# Altium PCB fmuvxX-baseT1.PcbDoc (part 2 of 5)
Units mm, origin at the board's own origin, x right, y up, seen from the top; angles counter-clockwise.
Board outline 88 x 47 mm, 6 copper layers (Top Layer, Layer 2, Signal Layer 3, Signal Layer 4, Layer 5, Bottom Layer), stack 1.548 mm thick; 363 components, 295 nets, 1451 pads, 844 vias.
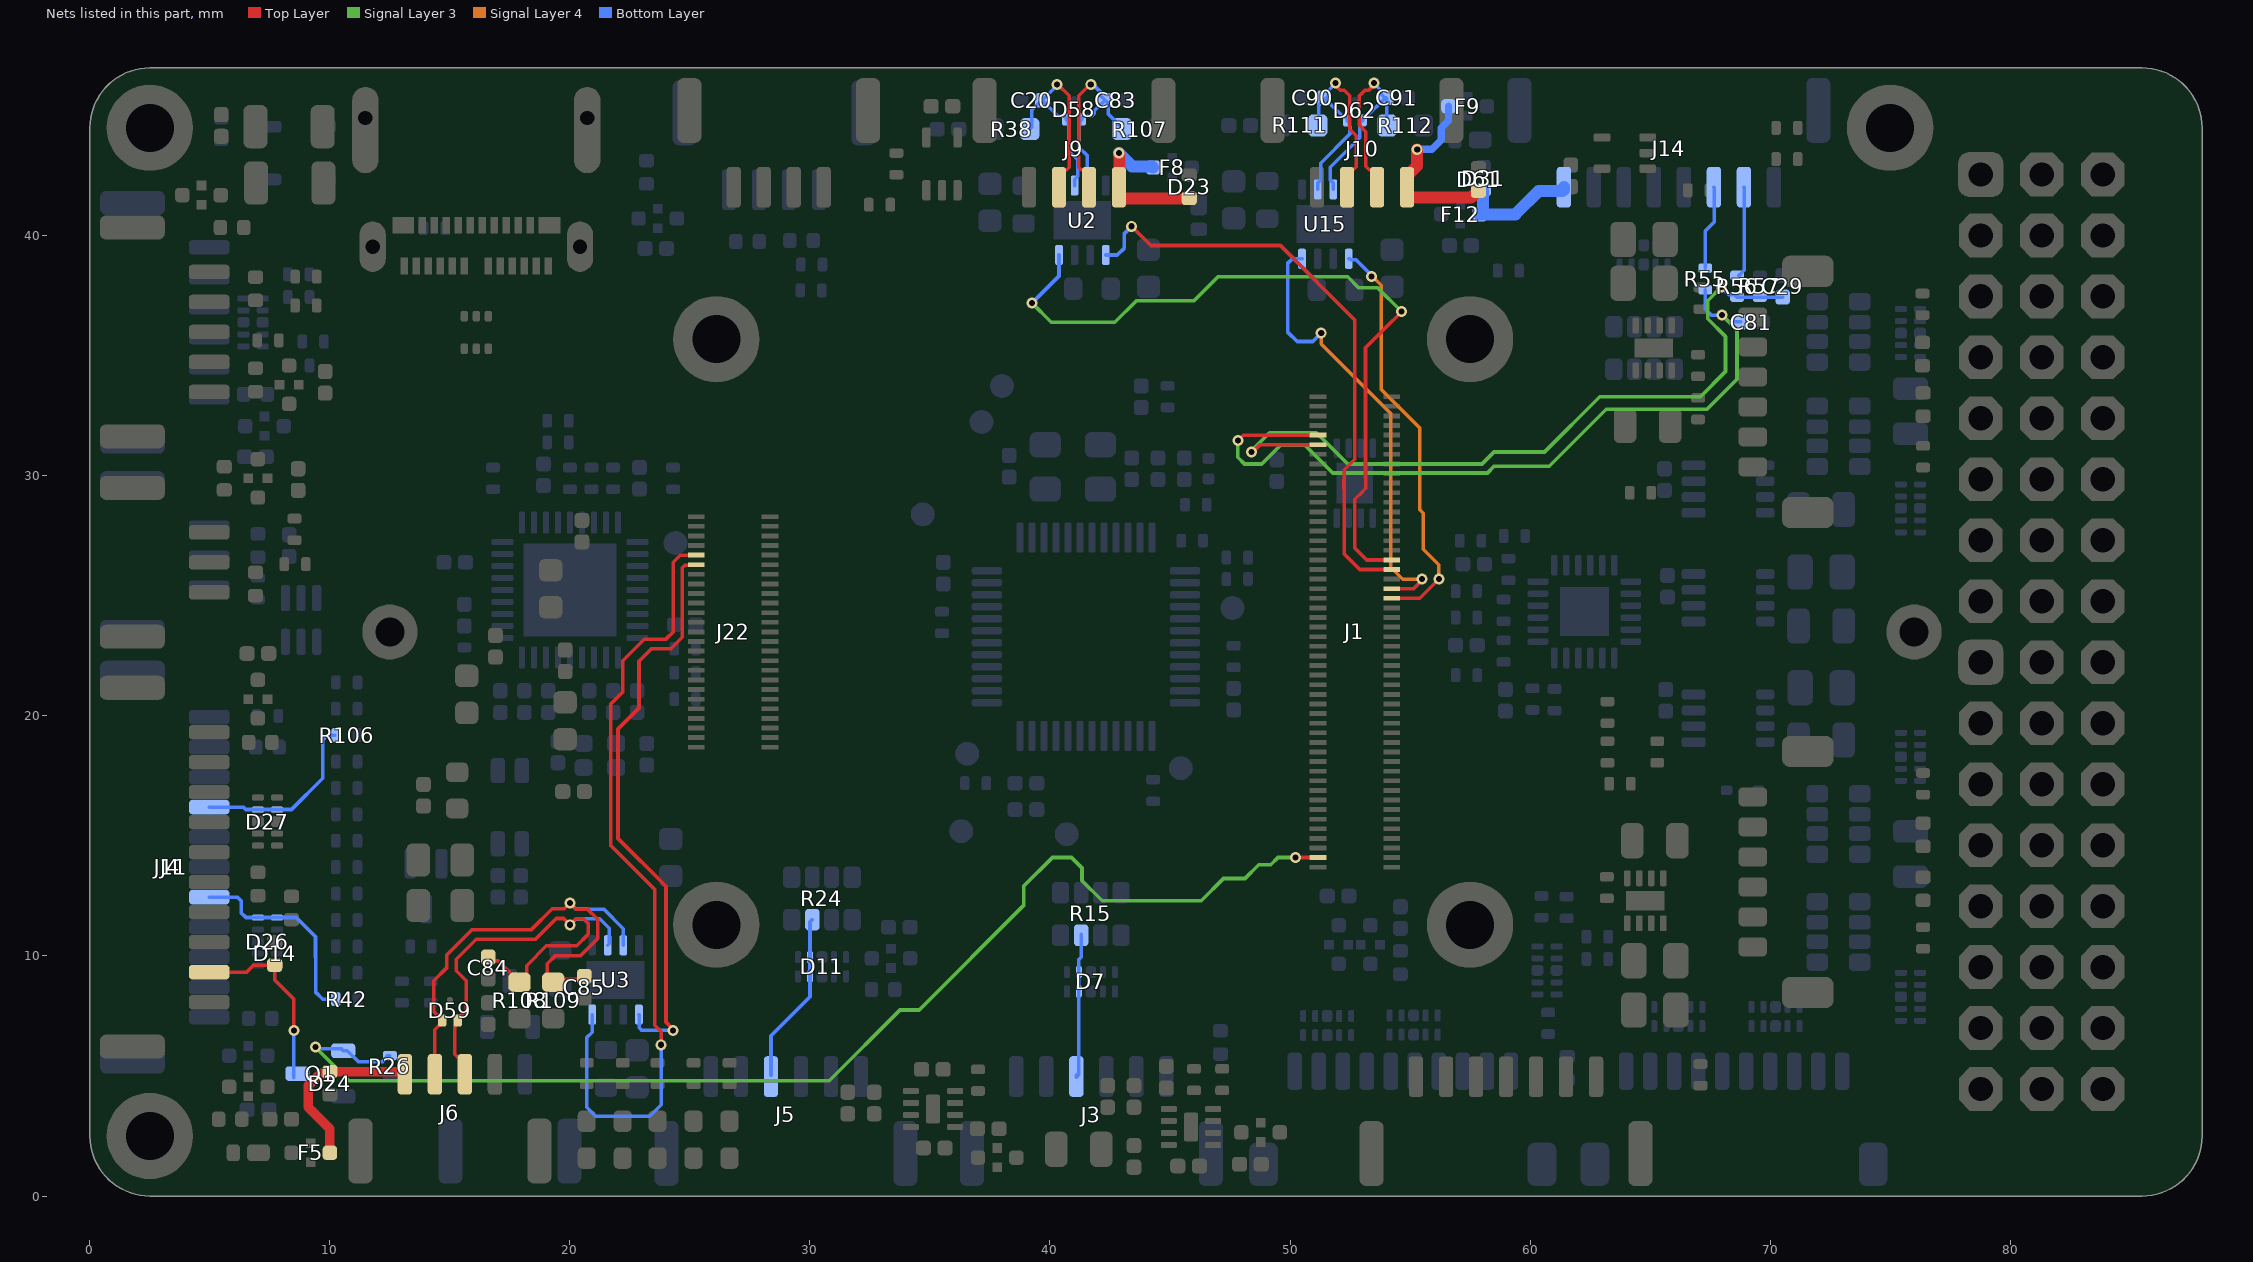
[diagram p6: the nets of this part, all layers, seen from the top]

## Footprints (in the part's own frame and the unit in brackets; to place one, negate y for a bottom-side part, rotate by r counter-clockwise, add the part's x,y. Pads: shape width x height; smd on the part's side, far side on the other; paste and mask are expansions set on the pad) (continued)
JST_SM07B-GHS-TBLFSN [mm] "Header, Right Angle Plug; 9 pin, 12.00 mm L X 4.05 mm W X 4.35 mm H body"
  rrect50% 0.6x1.7 smd: 1(3.75,-2.17) 2(2.5,-2.17) 3(1.25,-2.17) 4(0,-2.17) 5(-1.25,-2.17) 6(-2.5,-2.17) 7(-3.75,-2.17)
  rrect50% 1x2.7 smd: M1(5.6,1.03) M2(-5.6,1.03)
  silkscreen extent -6,-2.9 6,2.13, body extent -6,-2.7 6,2.15, height 4.35
JST_SM08B-GHS-TBLFSN [mm] "Connector, Right Angle Plug; 10 pin, 13.25 mm L X 4.05 mm W X 4.45 mm H body"
  rrect50% 0.6x1.7 smd: 1(-4.375,2.27) 2(-3.125,2.27) 3(-1.875,2.27) 4(-0.625,2.27) 5(0.625,2.27) 6(1.875,2.27) 7(3.125,2.27) 8(4.375,2.27)
  rrect50% 1x2.7 smd: M1(-6.225,-0.93) M2(6.225,-0.93)
  silkscreen extent -6.63,-2.03 6.63,3.92, body extent -6.61,-2 6.64,2.85, height 4.35
JST_SM10B-GHS-TBLFSN [mm] "Connector, Right Angle Shrouded Plug; 12 pin, 15.75 mm L X 4.05 mm W X 4.45 mm H body"
  rrect50% 0.6x1.7 smd: 1(-5.625,2.27) 2(-4.375,2.27) 3(-3.125,2.27) 4(-1.875,2.27) 5(-0.625,2.27) 6(0.625,2.27) 7(1.875,2.27) 8(3.125,2.27) 9(4.375,2.27) 10(5.625,2.27)
  rrect50% 1x2.7 smd: M1(-7.475,-0.93) M2(7.475,-0.93)
  silkscreen extent -7.88,-2.03 7.88,2.96, body extent -7.87,-2 7.88,2.85, height 4.35
JST_SM10B-SRSS-TB [mm] "Connector, Right Angle Shrouded Plug; 12 pin, 12.00 mm L X 4.25 mm W X 3.00 mm H body"
  rrect50% 0.6x1.55 smd: 1(-4.5,2.437) 2(-3.5,2.437) 3(-2.5,2.437) 4(-1.5,2.437) 5(-0.5,2.437) 6(0.5,2.437) 7(1.5,2.437) 8(2.5,2.437) 9(3.5,2.437) 10(4.5,2.437)
  rrect50% 1.2x1.8 smd: M1(-5.8,-1.438) M2(5.8,-1.438)
  silkscreen extent -6,-2.14 6,3.02, body extent -6,-1.9 6,3.05, height 2.96
JST_SM11B-GHS-TBLFSN [mm] "Connector, Right Angle Shrouded Plug; 13 pin, 17.00 mm L X 4.05 mm W X 4.45 mm H body"
  rrect50% 0.6x1.7 smd: 1(-6.25,2.275) 2(-5,2.275) 3(-3.75,2.275) 4(-2.5,2.275) 5(-1.25,2.275) 6(0,2.275) 7(1.25,2.275) 8(2.5,2.275) 9(3.75,2.275) 10(5,2.275) 11(6.25,2.275)
  rrect50% 1x2.7 smd: M1(-8.1,-0.925) M2(8.1,-0.925)
  silkscreen extent -8.5,-2.02 8.51,2.97, body extent -8.5,-2.05 8.5,2.8, height 4.35
LEDSC80X160X65L40N_BLU [mm] "LED, Side Lead; 2 pin, Blue, 0.80 mm L X 1.60 mm W X 0.65 mm H body"
  rrect51% 0.89x0.75 smd: A(0.77,0) C(-0.77,0)
  silkscreen extent -1.71,-0.45 0.15,0.45, body extent -0.8,-0.4 0.8,0.4, height 0.8
LEDSC80X160X65L40N_GRN [mm] "LED, Side Lead; 2 pin, Green, 0.80 mm L X 1.60 mm W X 0.65 mm H body"
  rrect51% 0.89x0.75 smd: A(0.77,0) C(-0.77,0)
  silkscreen extent -1.71,-0.45 0.15,0.45, body extent -0.8,-0.4 0.8,0.4, height 0.8
LEDSC80X160X65L40N_ORA [mm] "LED, Side Lead; 2 pin, Orange, 0.80 mm L X 1.60 mm W X 0.65 mm H body"
  rrect51% 0.89x0.75 smd: A(0.77,0) C(-0.77,0)
  silkscreen extent -1.71,-0.45 0.15,0.45, body extent -0.8,-0.4 0.8,0.4, height 0.8
MOLEX_505568-0681 [mm] "Connector, Vertical Shrouded Plug; 8 pin, 10.75 mm L X 3.85 mm W X 4.40 mm H body"
  rrect50% 0.8x1.2 smd: 1(-3.125,-1.722) 2(-1.875,-1.722) 3(-0.625,-1.722) 4(0.625,-1.722) 5(1.875,-1.722) 6(3.125,-1.722)
  rrect50% 1.3x2.15 smd: M1(-5.025,0.573) M2(5.025,0.573)
  Top Layer keep-out region: -4.375,-1.15 -2.975,-1.15 -2.975,1.66 -4.375,1.66
  Top Layer keep-out region: 5.975,-0.53 3.525,-0.53 3.525,-2.55 5.975,-2.55
  Top Layer keep-out region: 4.375,1.66 2.975,1.66 2.975,-1.15 4.375,-1.15
  Top Layer keep-out region: -3.525,-0.53 -5.975,-0.53 -5.975,-2.55 -3.525,-2.55
  silkscreen extent -5.38,-3.15 5.38,1.93, body extent -5.35,-2.04 5.4,1.86, height 4.2
MOLEX_2012670005 [mm] "Connector, USB Receptacle Right Angle; 28 pin, 9.39 mm L X 8.21 mm W X 3.86 mm H body"
  rect 0.3x0.7 smd mask+0.051: A1(-3,4.01) A2(-2.5,4.01) A3(-2,4.01) A4(-1.5,4.01) A5(-1,4.01) A6(-0.5,4.01) A7(0.5,4.01) A8(1,4.01) A9(1.5,4.01) A10(2,4.01) A11(2.5,4.01) A12(3,4.01) B2(2.25,2.31) B3(1.75,2.31) B4(1.25,2.31) B5(0.75,2.31) B6(0.25,2.31) B7(-0.25,2.31) B8(-0.75,2.31) B9(-1.25,2.31) B10(-1.75,2.31) B11(-2.25,2.31)
  rect 0.9x0.7 smd mask+0.051: B1(3.05,2.31) B12(-3.05,2.31)
  oval 1.1x2.1 hole 0.6 slot 1.6 at 90 deg paste-2.1: M1(-4.32,3.2) M2(4.32,3.2)
  oval 1.1x3.6 hole 0.6 slot 2.1 at 90 deg copper offset 0,0.5 paste-3.6: M3(4.62,-2.16)
  oval 1.1x3.6 / inner rrect100% 1.1x3.6 / far side rrect100% 1.1x3.6 hole 0.6 slot 2.1 at 90 deg copper offset 0,0.5 paste-3.6: M4(-4.62,-2.16)
  silkscreen extent -4.7,-4.11 4.7,4.77, body extent -4.69,-4.09 4.7,4.21, height 3.67
MOUNT_HOLE_1.2MM_TH [mm] "MOUNT HOLE 1.2MM TH"
  round 2.3 hole 1.2: 1(0,0)
MOUNT_HOLE_2MM_3.6MM_8VIA_TH [mm] "MOUNT HOLE 2MM 3.6MM 8VIA TH"
  round 3.6 hole 2: 1(0,0)
MOUNT_HOLE_2MM_3.6MM_8via_TH [mm] "MOUNT HOLE 2MM 3.6MM 8VIA TH"
  round 3.6 hole 2: 1(0,0)
NEXPERIA_SOT8015 [mm] "Diode, TVS; 3 pin, 1.10 mm L X 1.00 mm W X 0.50 mm H body"
  rrect50% 0.35x0.5 smd paste-0.05 mask+0.05: 1(-0.325,-0.39) 2(0.325,-0.39)
  round 0.25 smd paste-0.25 mask-0.25: 3(0,0.47)
  Top Layer region: 0.45,0.08 -0.45,0.08 -0.45,0.52 -0.15,0.52 -0.15,0.86 0.15,0.86 0.15,0.52 0.45,0.52 0.45,0.08
  silkscreen extent -0.7,-1.2 0.7,1.06, body extent -0.58,-0.53 0.58,0.53, height 0.51
NFM18PC104R1C3_0603_NO_VIA [mm] "Filter, EMI; 4 pin, 1.60 mm L X 0.80 mm W X 0.70 mm H body"
  rrect50% 0.6x0.6 smd: 1(-0.8,0) 3(0.8,0)
  rect 0.4x0.4 smd mask+0.102: 2A(0,0.4) 2B(0,-0.4)
  silkscreen extent -0.8,-0.5 0.8,0.5, body extent -0.8,-0.41 0.8,0.41, height 0.6
ONSEMI_SC-70-3P65_210X110L20X32N [mm] "Small Outline Transistor (SOT23), 0.65 mm pitch; 3 pin, 2.00 mm L X 1.25 mm W X 1.10 mm H body"
  rrect52% 1.23x0.5 smd: D(0.94,0) G(-0.94,0.65) S(-0.94,-0.65)
  silkscreen extent -0.68,-1.1 0.68,1.1, body extent -1.05,-1 1.05,1, height 1.1
OSCCC200X160X70L60X60 [mm] "Oscillator, Corner Concave; 2.00 mm L X 1.60 mm W X 0.70 mm H body"
  rrect50% 0.75x0.7 smd: 1(-0.675,-0.5) 2(0.675,-0.5) 3(0.675,0.5) 4(-0.675,0.5)
  silkscreen extent -1.02,-0.82 1.02,0.82, body extent -1,-0.8 1,0.8, height 0.7
PTC-1206 [mm] "PTC-1206"
  rrect50% 1x1.8 smd: 1(-1.4,0) 2(1.4,0)
  silkscreen extent -2.07,-1.07 2.07,1.07, body extent -1.6,-0.83 1.6,0.83, height 0.56
QFN25P50_400X400X80L40X25T245N [mm] "Quad Flat No-Lead (QFN with Tab), 0.50 mm pitch; square, 6 pin X 6 pin, 4.00 mm L X 4.00 mm W X 0.80 mm H body"
  rrect52% 0.86x0.27 smd mask+0.064: 1(-1.935,1.25) 2(-1.935,0.75) 3(-1.935,0.25) 4(-1.935,-0.25) 5(-1.935,-0.75) 6(-1.935,-1.25) 13(1.935,-1.25) 14(1.935,-0.75) 15(1.935,-0.25) 16(1.935,0.25) 17(1.935,0.75) 18(1.935,1.25)
  rrect52% 0.27x0.86 smd mask+0.064: 7(-1.25,-1.935) 8(-0.75,-1.935) 9(-0.25,-1.935) 10(0.25,-1.935) 11(0.75,-1.935) 12(1.25,-1.935) 19(1.25,1.935) 20(0.75,1.935) 21(0.25,1.935) 22(-0.25,1.935) 23(-0.75,1.935) 24(-1.25,1.935)
  rect 2.05x2.05 smd paste-2.05 mask-2.05: 25(0,0)
  Top Layer region: -1.225,-1.225 -1.225,1.025 -1.025,1.225 1.225,1.225 1.225,-1.225 -1.225,-1.225
  silkscreen extent -2.62,-2.05 2.05,2.05, body extent -2.05,-2.05 2.05,2.05, height 0.8
QFN37P50_600X600X85L55X24T390N [mm] "Quad Flat No-Lead (QFN) with Thermal Tab, 0.50 mm pitch;  square, 9 pin X 9 pin, 6.00 mm L X 6.00 mm W X 0.85 mm H body"
  rrect50% 0.264x0.91 smd: 1(-2,-2.81) 2(-1.5,-2.81) 3(-1,-2.81) 4(-0.5,-2.81) 5(0,-2.81) 6(0.5,-2.81) 7(1,-2.81) 8(1.5,-2.81) 9(2,-2.81) 19(2,2.81) 20(1.5,2.81) 21(1,2.81) 22(0.5,2.81) 23(0,2.81) 24(-0.5,2.81) 25(-1,2.81) 26(-1.5,2.81) 27(-2,2.81)
  rrect50% 0.91x0.264 smd: 10(2.81,-2) 11(2.81,-1.5) 12(2.81,-1) 13(2.81,-0.5) 14(2.81,0) 15(2.81,0.5) 16(2.81,1) 17(2.81,1.5) 18(2.81,2) 28(-2.81,2) 29(-2.81,1.5) 30(-2.81,1) 31(-2.81,0.5) 32(-2.81,0) 33(-2.81,-0.5) 34(-2.81,-1) 35(-2.81,-1.5) 36(-2.81,-2)
  rect 3.88x3.88 smd paste-3.88 mask-3.88: 37(0,0)
  Top Layer region: 1.95,0 1.95,-1.94 1.95,-1.942 1.95,-1.943 1.949,-1.944 1.948,-1.946 1.947,-1.947 1.946,-1.948 1.944,-1.949 1.943,-1.95 1.942,-1.95 -1.94,-1.95 -1.95,-1.94 -1.95,1.94 -1.95,1.942 -1.95,1.943 -1.949,1.944 -1.948,1.946 -1.947,1.947 -1.946,1.948 -1.944,1.949 -1.943,1.95 -1.942,1.95 1.94,1.95 1.942,1.95 1.943,1.95 1.944,1.949 1.946,1.948 1.947,1.947 1.948,1.946 1.949,1.944 1.95,1.943 1.95,1.942 1.95,1.94 1.95,0
  silkscreen extent -3.05,-3.45 3.05,3.05, body extent -3.05,-3.05 3.05,3.05, height 0.85
QFP48P50_900X900X160L60X22N [mm] "Quad Flat Pack (QFP), 0.50 mm pitch; square, 12 pin X 12 pin, 7.00 mm L X 7.00 mm W X 1.60 mm H body"
  rrect53% 0.3x1.26 smd mask+0.061: 1(-2.75,-4.13) 2(-2.25,-4.13) 3(-1.75,-4.13) 4(-1.25,-4.13) 5(-0.75,-4.13) 6(-0.25,-4.13) 7(0.25,-4.13) 8(0.75,-4.13) 9(1.25,-4.13) 10(1.75,-4.13) 11(2.25,-4.13) 12(2.75,-4.13) 25(2.75,4.13) 26(2.25,4.13) 27(1.75,4.13) 28(1.25,4.13) 29(0.75,4.13) 30(0.25,4.13) 31(-0.25,4.13) 32(-0.75,4.13) 33(-1.25,4.13) 34(-1.75,4.13) 35(-2.25,4.13) 36(-2.75,4.13)
  rrect53% 1.26x0.3 smd mask+0.061: 13(4.13,-2.75) 14(4.13,-2.25) 15(4.13,-1.75) 16(4.13,-1.25) 17(4.13,-0.75) 18(4.13,-0.25) 19(4.13,0.25) 20(4.13,0.75) 21(4.13,1.25) 22(4.13,1.75) 23(4.13,2.25) 24(4.13,2.75) 37(-4.13,2.75) 38(-4.13,2.25) 39(-4.13,1.75) 40(-4.13,1.25) 41(-4.13,0.75) 42(-4.13,0.25) 43(-4.13,-0.25) 44(-4.13,-0.75) 45(-4.13,-1.25) 46(-4.13,-1.75) 47(-4.13,-2.25) 48(-4.13,-2.75)
  silkscreen extent -5.38,-5.38 5.38,5.38, body extent -4.5,-4.5 4.5,4.5, height 1.6
RESC100X50X40L25 [mm] "Resistor, Chip; 1.00 mm L X 0.50 mm W X 0.40 mm H body"
  rrect50% 0.4x0.58 smd: 1(-0.45,0) 2(0.45,0)
  silkscreen extent -0.82,-0.48 0.82,0.48, body extent -0.5,-0.25 0.5,0.25, height 0.4
RESC200X125X70L40N [mm] "Resistor, Chip; 2.00 mm L X 1.25 mm W X 0.70 mm H body"
  rrect51% 0.99x1.38 smd: 1(-0.915,0) 2(0.915,0)
  silkscreen extent -1.6,-0.87 1.6,0.87, body extent -1,-0.63 1,0.63, height 0.7
RESC1608X55L30N [mm] "Resistor, Chip; 1.60 mm L X 0.80 mm W X 0.55 mm H body"
  rrect51% 0.82x0.93 smd: 1(-0.755,0) 2(0.755,0)
  silkscreen extent -1.35,-0.65 1.35,0.65, body extent -0.8,-0.4 0.8,0.4, height 0.55
RESCAF8P80_320X160X61L30X65N#1 [mm] "Chip Array, 2 Side Flat, 0.80 mm pitch; 8 pin, 3.20 mm L X 1.60 mm W X 0.61 mm H body"
  rrect49% 0.9x0.72 smd mask+0.056: 1(-0.885,1.26) 4(-0.885,-1.26) 5(0.885,-1.26) 8(0.885,1.26)
  rrect49% 0.9x0.61 smd mask+0.056: 2(-0.885,0.4) 3(-0.885,-0.4) 6(0.885,-0.4) 7(0.885,0.4)
  silkscreen extent -0.87,-1.92 0.89,1.92, body extent -0.85,-1.6 0.85,1.6, height 0.61
RESCAF8P80_320X160X61L30X65N#2 [mm] "Chip Array, 2 Side Flat, 0.80 mm pitch; 8 pin, 3.20 mm L X 1.60 mm W X 0.61 mm H body"
  rrect49% 0.9x0.72 smd mask+0.051: 1(-0.885,1.26) 4(-0.885,-1.26) 5(0.885,-1.26) 8(0.885,1.26)
  rrect49% 0.9x0.61 smd mask+0.051: 2(-0.885,0.4) 3(-0.885,-0.4) 6(0.885,-0.4) 7(0.885,0.4)
  silkscreen extent -0.87,-1.92 0.89,1.92, body extent -0.85,-1.6 0.85,1.6, height 0.61
SODFL120X80X70L30X30 [mm] "Diode Small Outline Diode Flat Lead SODFL 1.20 mm L X 0.80 mm W X 0.70 mm H"
  rrect50% 0.48x0.4 smd: A(0.66,0) C(-0.66,0)
  silkscreen extent -1.32,-0.58 0.77,0.58, body extent -0.8,-0.4 0.8,0.4, height 0.7
SODFL2512X80L40X35N [mm] "Diode, Small Outline Diode Flat Lead (SODFL); 1.70 mm L X 1.25 mm W X 0.80 mm H body"
  rrect50% 0.84x0.48 smd: A(1.14,0) C(-1.14,0)
  silkscreen extent -2.04,-0.8 1.02,0.8, body extent -1.25,-0.63 1.25,0.63, height 0.8
SOFL6P50_160X160X60L20X22 [mm] "Small Outline Flat Lead (SOFL), 0.50 mm pitch; 6 pin, 1.60 mm L X 1.20 mm W X 0.60 mm H body"
  rrect53% 0.3x0.45 smd mask+0.061: 1(-0.5,-0.675) 2(0,-0.675) 3(0.5,-0.675) 4(0.5,0.675) 5(0,0.675) 6(-0.5,0.675)
  silkscreen extent -1.38,-0.82 0.85,0.65, body extent -0.8,-0.8 0.8,0.8, height 0.6
SON9P50_200X200X60L35X25T120X60N [mm] "Small Outline No-Lead (SON with Tab), 0.50 mm pitch; 8 pin, 2.00 mm L X 2.00 mm W X 0.60 mm H body"
  rrect52% 0.27x0.66 smd mask+0.051: 1(-0.75,-0.92) 2(-0.25,-0.92) 3(0.25,-0.92) 4(0.75,-0.92) 5(0.75,0.92) 6(0.25,0.92) 7(-0.25,0.92) 8(-0.75,0.92)
  rrect33% 1.2x0.6 smd: P1(0,0)
  silkscreen extent -1.4,-1.38 1.06,1.03, body extent -1,-1.05 1,1.05, height 0.6
SON9P50_200X200X80L30X25T160X80N#1 [mm] "Small Outline No-Lead (SON with Tab), 0.50 mm pitch; 8 pin, 2.00 mm L X 2.00 mm W X 0.80 mm H body Thermal Pad No Vias"
  rrect52% 0.27x0.66 smd mask+0.051: 1(-0.75,-0.935) 2(-0.25,-0.935) 3(0.25,-0.935) 4(0.75,-0.935) 5(0.75,0.935) 6(0.25,0.935) 7(-0.25,0.935) 8(-0.75,0.935)
  rect 1.6x0.8 smd paste-1.6 mask+0.076: P1(0,0)
  silkscreen extent -1.4,-1.27 1.06,1.05, body extent -1,-1.05 1,1.05, height 0.8
SON9P50_200X200X80L30X25T160X80N#2 [mm] "Small Outline No-Lead (SON with Tab), 0.50 mm pitch; 8 pin, 2.00 mm L X 2.00 mm W X 0.80 mm H body Thermal Pad No Vias"
  rrect52% 0.27x0.66 smd mask+0.051: 1(-0.75,-0.935) 2(-0.25,-0.935) 3(0.25,-0.935) 4(0.75,-0.935) 5(0.75,0.935) 6(0.25,0.935) 7(-0.25,0.935) 8(-0.75,0.935)
  rect 1.6x0.8 smd paste-1.6 mask+0.064: P1(0,0)
  silkscreen extent -1.4,-1.27 1.06,1.05, body extent -1,-1.05 1,1.05, height 0.8
SON9P50_200X300X100L40X25T153X170N [mm] "Small Outline No-Lead (SON with Tab), 0.50 mm pitch; 8 pin, 2.00 mm L X 3.00 mm W X 1.00 mm H body"
  rrect52% 0.81x0.27 smd mask+0.076: 1(-1.455,0.75) 2(-1.455,0.25) 3(-1.455,-0.25) 4(-1.455,-0.75) 5(1.455,-0.75) 6(1.455,-0.25) 7(1.455,0.25) 8(1.455,0.75)
  rect 1.7x1.53 smd paste-1.7 mask-1.7: 9(0,0)
  silkscreen extent -1.65,-1.06 1.55,1.4, body extent -1.55,-1 1.55,1, height 1
SON9P65_300X300X100L40X30T240X160_RECT_TABN [mm] "Small Outline No-Lead (SON with Tab), 0.65 mm pitch; 8 pin, 3.00 mm L X 3.00 mm W X 1.00 mm H body"
  rrect50% 0.84x0.32 smd: 1(-1.445,0.975) 2(-1.445,0.325) 3(-1.445,-0.325) 4(-1.445,-0.975) 5(1.445,-0.975) 6(1.445,-0.325) 7(1.445,0.325) 8(1.445,0.975)
  rect 1.6x2.4 smd paste-2.4 mask-2.4: 9(0,0)
  silkscreen extent -1.81,-1.55 1.55,1.55, body extent -1.55,-1.5 1.55,1.5, height 1
SOT23-3P95_230X110L30X43N [mm] "Small Outline Transistor (SOT23), 0.95 mm pitch; 3 pin, 2.90 mm L X 1.30 mm W X 1.10 mm H body"
  rrect49% 0.61x1.01 smd: 1(-0.95,-0.955) 2(0.95,-0.955) 3(0,0.955)
  silkscreen extent -1.5,-0.7 1.5,0.7, body extent -1.45,-1.15 1.45,1.15, height 1.1
SOT23-3P95_230X110L30X43N_GENERIC [mm] "Small Outline Transistor (SOT23), 0.95 mm pitch; 3 pin, 2.90 mm L X 1.30 mm W X 1.10 mm H body"
  rrect49% 0.61x1.01 smd: 1(-0.95,-0.955) 2(0.95,-0.955) 3(0,0.955)
  silkscreen extent -1.5,-0.7 1.5,0.7, body extent -1.45,-1.15 1.45,1.15, height 1.1
SOT23-5P65_210X110L20X20 [mm] "Small Outline Transistor (SOT23), 0.65 mm pitch; 5 pin, 2.00 mm L X 1.25 mm W X 1.10 mm H body"
  rrect49% 0.35x0.7 smd: 1(-0.65,-0.95) 2(0,-0.95) 3(0.65,-0.95) 4(0.65,0.95) 5(-0.65,0.95)
  silkscreen extent -1.42,-1.13 1,0.63, body extent -1,-0.63 1,0.63, height 1.11
SOT23-5P65_210X110L36X22N [mm] "Small Outline Transistor (SOT23), 0.65 mm pitch; 5 pin, 2.00 mm L X 1.25 mm W X 1.10 mm H body"
  rrect53% 0.35x0.85 smd: 1(-0.65,-1.1) 2(0,-1.1) 3(0.65,-1.1) 4(0.65,1.1) 5(-0.65,1.1)
  silkscreen extent -1.42,-1.52 1.08,0.7, body extent -1,-1.05 1,1.05, height 1.11
SOT23-6P65_210X110L36X22N [mm] "Small Outline Transistor (SOT23), 0.65 mm pitch; 6 pin, 2.00 mm L X 1.25 mm W X 1.10 mm H body"
  rrect53% 0.38x1.09 smd: 1(-0.65,-0.91) 2(0,-0.91) 3(0.65,-0.91) 4(0.65,0.91) 5(0,0.91) 6(-0.65,0.91)
  silkscreen extent -1.08,-1.91 1.08,0.7, body extent -1,-1.05 1,1.05, height 1.11
TDK_ACT1210D [mm] "Choke, Common Mode; 4 pin, 3.90 mm L X 2.50 mm W X 2.50 mm H body"
  rrect50% 1.05x0.6 smd: 1(-1.525,0.5) 2(-1.525,-0.5) 3(1.525,-0.5) 4(1.525,0.5)
  silkscreen extent -2.1,-1.5 2.1,2.1, body extent -1.95,-1.35 1.95,1.35, height 2.51
TEST_PAD_1MM [mm] "TEST PAD 1MM SMD"
  round 1 smd paste-0.5 mask+0.102: 1(0,0)
UDFN10P50_250X100X55L35X20N#1 [mm] "Small Outline No-Lead (SON), 0.50 mm pitch; 10 pin, 2.50 mm L X 1.00 mm W X 0.55 mm H body"
  rrect55% 0.5x0.25 smd mask+0.051: 1(-0.4,1) 2(-0.4,0.5) 4(-0.4,-0.5) 5(-0.4,-1) 6(0.4,-1) 7(0.4,-0.5) 9(0.4,0.5) 10(0.4,1)
  rrect55% 0.5x0.45 smd mask+0.038: 3(-0.4,0) 8(0.4,0)
  silkscreen extent -1.05,-1.29 0.5,1.6, body extent -0.55,-1.25 0.55,1.25, height 0.55
UDFN10P50_250X100X55L35X20N#2 [mm] "Small Outline No-Lead (SON), 0.50 mm pitch; 10 pin, 2.50 mm L X 1.00 mm W X 0.55 mm H body"
  rrect55% 0.5x0.25 smd mask+0.038: 1(-0.4,1) 2(-0.4,0.5) 4(-0.4,-0.5) 5(-0.4,-1) 6(0.4,-1) 7(0.4,-0.5) 9(0.4,0.5)
  rrect55% 0.5x0.45 smd mask+0.025: 3(-0.4,0) 8(0.4,0)
  rrect55% 0.5x0.25 smd: 10(0.4,1)
  silkscreen extent -1.05,-1.29 0.5,1.6, body extent -0.55,-1.25 0.55,1.25, height 0.55
VISHAY_POWERPAK_1212-8_DUAL [mm] "Small Outline No-Lead (SON with Tab), 0.65 mm pitch; 8 pin, 3.30 mm L X 3.30 mm W X 1.12 mm H body"
  rrect50% 0.405x0.99 smd: 1(-0.99,-1.435) 2(-0.33,-1.435) 3(0.33,-1.435) 4(0.99,-1.435)
  rrect50% 0.405x0.76 smd: 5(0.99,1.55) 6(0.33,1.55) 7(-0.33,1.55) 8(-0.99,1.55)
  Top Layer region: -1.9,-0.305 -1.9,0.15 -1.118,0.15 -1.118,1.17 -1.118,1.42 -0.787,1.42 -0.128,1.42 -0.128,-0.305
  Top Layer region: 1.9,-0.305 1.9,0.15 1.118,0.15 1.118,1.17 1.118,1.42 0.787,1.42 0.128,1.42 0.128,-0.305
  silkscreen extent -1.71,-2.47 1.71,1.71, body extent -1.65,-1.65 1.65,1.65, height 1.02
XTAL_4PIN_320X250X80 [mm] "Crystal, 4 pin, 3.20 mm L X 2.50 mm W X 0.80 mm H body"
  rrect50% 1.3x1.05 smd: 1(-1.15,-0.925) 2(1.15,-0.925) 3(1.15,0.925) 4(-1.15,0.925)
  silkscreen extent -1.8,-1.95 0.18,1.25, body extent -1.6,-1.25 1.6,1.25, height 0.81

## Part data
C1 C4 C64 C69 C71 C75: library part CAP_1UF_20%_10V_X5R_0402, Manufacturer=Yageo, Manufacturer Part Number=CC0402MRX5R6BB105, Operating Temperature="-55°C ~ 85°C", Ratings=-, Supplier Part Number 1=311-1732-1-ND, Temperature Coefficient=X5R, Tolerance=±20%, Voltage - Rated=10V, Category=Capacitors, ComponentLink1Description=https://www.digikey.com/product-detail/en/yageo/CC0402MRX5R6BB105/311-1732-1-ND/5195634, ComponentLink1URL=https://www.digikey.com/product-detail/en/yageo/CC0402MRX5R6BB105/311-1732-1-ND/5195634, Packaging="Tape & Reel (TR)", Part Status=Active, Pricing 1="1=0.22, 10=0.156, 100=0.0732, 10000=0.02925 (USD)", Stock 1=52516, Supplier 1=Digi-Key
C2 C3 C5 C6 C7 C10 C11 C12 C13 C15 C16 C21 C22 C23 C24 C25 C26 C27 C28 C29 C30 C34 C36 C38 C43 C45 C47 C53 C54 C56 C65 C66 C67 C68 C70 C72 C73 C74 C77 C79 C80: library part CAP_0U1_16V_X7R_0402, Manufacturer="Murata Electronics", Manufacturer Part Number=GCM155R71C104KA55J, Operating Temperature="-55°C ~ 125°C", Supplier Part Number 1=490-7998-1-ND, Tolerance=±10%, Voltage - Rated=16V, Category=Capacitors, ComponentLink1Description=https://www.digikey.com/product-detail/en/murata-electronics/GCM155R71C104KA55J/490-7998-1-ND/4380283, ComponentLink1URL=https://www.digikey.com/product-detail/en/murata-electronics/GCM155R71C104KA55J/490-7998-1-ND/4380283, Packaging="Cut Tape (CT)", Part Status=Active, Pricing 1="1=0.1, 10=0.049, 100=0.022, 500=0.0157, 1000=0.01233, 2500=0.01121, 5000=0.01032 (USD)", Stock 1=6381653, Supplier 1=Digi-Key
C8 C9 C78 C82: library part CAP_8PF_50V_NPO_0402, Manufacturer=Yageo, Manufacturer Part Number=CC0402DRNPO9BN8R0, Operating Temperature="-55°C ~ 125°C", Supplier Part Number 1=311-1639-1-ND, Temperature Coefficient="C0G, NP0", Tolerance=±0.5pF, Voltage - Rated=50V, Category=Capacitors, ComponentLink1Description=https://www.digikey.com/product-detail/en/yageo/CC0402DRNPO9BN8R0/311-1639-1-ND/5195541, ComponentLink1URL=https://www.digikey.com/product-detail/en/yageo/CC0402DRNPO9BN8R0/311-1639-1-ND/5195541, Packaging="Cut Tape (CT)", Part Status=Active, Pricing 1="1=0.1, 10=0.032, 100=0.0143, 500=0.0102, 1000=0.00802, 2500=0.00729, 5000=0.0067 (USD)", Stock 1=455831, Supplier 1=Digi-Key
C14 C17 C18 C19 C88 C89: library part CAP_0U47_10V_X7R_0603, Manufacturer="Samsung Electro-Mechanics", Manufacturer Part Number=CL10B474KP8NNNC, Operating Temperature="-55°C ~ 125°C", Supplier Part Number 1=1276-1247-1-ND, Tolerance=±10%, Voltage - Rated=10V, Category=Capacitors, ComponentLink1Description=https://www.digikey.com/product-detail/en/samsung-electro-mechanics/CL10B474KP8NNNC/1276-1247-1-ND/3889333, ComponentLink1URL=https://www.digikey.com/product-detail/en/samsung-electro-mechanics/CL10B474KP8NNNC/1276-1247-1-ND/3889333, Packaging="Cut Tape (CT)", Part Status=Active, Pricing 1="1=0.1, 10=0.065, 100=0.0292, 500=0.02082, 1000=0.01637, 2500=0.01488, 5000=0.01369 (USD)", Stock 1=40000, Supplier 1=Digi-Key
C20 C83 C84 C85 C90 C91: library part CAP_100PF_50V_COG/NPO_0402, Manufacturer="Murata Electronics", Manufacturer Part Number=GRM1555C1H101JA01D, Operating Temperature="-55°C ~ 125°C", Supplier Part Number 1=490-5922-1-ND, Tolerance=±5%, Voltage - Rated=50V, Category=Capacitors, ComponentLink1Description=https://www.digikey.com/en/products/detail/murata-electronics/GRM1555C1H101JA01D/3721279, ComponentLink1URL=https://www.digikey.com/en/products/detail/murata-electronics/GRM1555C1H101JA01D/3721279, Packaging="Tape & Reel (TR)", Part Status=Active, Pricing 1="1=0.1 (USD)", Stock 1=11490608, Supplier 1=Digi-Key
C31 C35 C37 C46 C49 C57 C62 C63: library part CAP_22UF_20%_25V_X5R_0805, Manufacturer="Murata Electronics", Manufacturer Part Number=GRT21BR61E226ME13L, Operating Temperature="-55°C ~ 125°C", Supplier Part Number 1=490-12389-1-ND, Tolerance=±20%, Voltage - Rated=25V, Category=Capacitors, ComponentLink1Description=https://www.digikey.com/en/products/detail/murata-electronics/GRT21BR61E226ME13L/5416811, ComponentLink1URL=https://www.digikey.com/en/products/detail/murata-electronics/GRT21BR61E226ME13L/5416811, Packaging="Cut Tape (CT)", Part Status=Active, Pricing 1="1=0.58 (USD)", Stock 1=0, Supplier 1=Digi-Key
C32 C33 C50 C51 C58 C59: library part CAP_47UF_20%_10V_X5R_0805, Manufacturer="Murata Electronics North America", Manufacturer Part Number=GRM21BR61A476ME15L, Operating Temperature="-55°C ~ 85°C", Supplier Part Number 1=490-9961-1-ND, Tolerance=±20%, Voltage - Rated=10V, Category=Capacitors, ComponentLink1Description=https://www.digikey.com/product-detail/en/murata-electronics-north-america/GRM21BR61A476ME15L/490-9961-1-ND/5026442, ComponentLink1URL=https://www.digikey.com/product-detail/en/murata-electronics-north-america/GRM21BR61A476ME15L/490-9961-1-ND/5026442, Packaging="Cut Tape (CT)", Part Status=Active, Pricing 1="1=0.75 (USD)", Stock 1=4315932, Supplier 1=Digi-Key
C39 C40: library part CAP_10PF_5%_16V_NPO_0402, Manufacturer="Wurth Electronics Inc.", Manufacturer Part Number=885012005025, Operating Temperature="-55°C ~ 125°C", Supplier Part Number 1=732-7441-1-ND, Temperature Coefficient="C0G, NP0", Tolerance=±5%, Voltage - Rated=16V, Category=Capacitors, ComponentLink1Description=https://www.digikey.com/product-detail/en/wurth-electronics-inc/885012005025/732-7441-1-ND/5454068, ComponentLink1URL=https://www.digikey.com/product-detail/en/wurth-electronics-inc/885012005025/732-7441-1-ND/5454068, Packaging="Cut Tape (CT)", Part Status=Active, Pricing 1="1=0.1, 10=0.032, 100=0.0143, 500=0.0102, 1000=0.00802, 2500=0.00729, 5000=0.0067 (USD)", Stock 1=79611, Supplier 1=Digi-Key
C41: library part CAP_100PF_5%_25V_NPO_0402, Manufacturer=KEMET, Manufacturer Part Number=C0402C101J3GACTU, Operating Temperature="-55°C ~ 125°C", Supplier Part Number 1=399-1022-1-ND, Tolerance=±5%, Voltage - Rated=25V, Category=Capacitors, ComponentLink1Description=https://www.digikey.com/product-detail/en/kemet/C0402C101J3GACTU/399-1022-1-ND/411297, ComponentLink1URL=https://www.digikey.com/product-detail/en/kemet/C0402C101J3GACTU/399-1022-1-ND/411297, Packaging="Cut Tape (CT)", Part Status=Active, Pricing 1="1=0.1, 10=0.02, 100=0.0091, 500=0.0065, 1000=0.00511, 2500=0.00465, 5000=0.00428 (USD)", Stock 1=300, Supplier 1=Digi-Key
C42 C48 C52 C55 C60 C61 C76: library part CAP_10UF_20%_10V_X5R_0402, Manufacturer="Samsung Electro-Mechanics", Manufacturer Part Number=CL05A106MP5NUNC, Operating Temperature="-55°C ~ 85°C", Ratings=-, Supplier Part Number 1=1276-1450-1-ND, Temperature Coefficient=X5R, Tolerance=±20%, Voltage - Rated=10V, Category=Capacitors, ComponentLink1Description=https://www.digikey.com/products/en?keywords=%091276-1450-1-ND, ComponentLink1URL=https://www.digikey.com/products/en?keywords=%091276-1450-1-ND, Packaging="Tape & Reel (TR)", Part Status=Active, Pricing 1="1=0.53, 10=0.373, 100=0.23, 500=0.1761, 1000=0.15094, 2500=0.14375, 5000=0.13656 (USD)", Stock 1=0, Supplier 1=Digi-Key
C44: library part CAP_10NF_10%_50V_X7R_0402, Manufacturer="Murata Electronics North America", Manufacturer Part Number=GRM155R71H103KA88D, Operating Temperature="-55°C ~ 125°C", Ratings=-, Supplier Part Number 1=490-4516-1-ND, Temperature Coefficient=X7R, Tolerance=±10%, Voltage - Rated=50V, Category=Capacitors, ComponentLink1Description=https://www.digikey.com/products/en/capacitors/ceramic-capacitors/60?k=GRM155R71H103KA88D&k=&pkeyword=GRM155R71H103KA88D&pv7=2&sf=0&quantity=&ColumnSort=0&page=1&pageSize=25, ComponentLink1URL=https://www.digikey.com/products/en/capacitors/ceramic-capacitors/60?k=GRM155R71H103KA88D&k=&pkeyword=GRM155R71H103KA88D&pv7=2&sf=0&quantity=&ColumnSort=0&page=1&pageSize=25, Packaging="Cut Tape (CT)", Part Status=Active, Pricing 1="1=0.1, 10=0.011, 100=0.005, 500=0.00354, 1000=0.00278, 2500=0.00253, 5000=0.00233 (USD)", Stock 1=10174125, Supplier 1=Digi-Key
C81: library part CAP_1000PF_10%_50V_X7R_0402, Manufacturer="Murata Electronics North America", Manufacturer Part Number=GCM155R71H102KA37D, Operating Temperature="-55°C ~ 125°C", Supplier Part Number 1=490-4761-1-ND, Tolerance=±10%, Voltage - Rated=50V, Category=Capacitors, ComponentLink1Description=https://www.digikey.com/product-detail/en/murata-electronics-north-america/GCM155R71H102KA37D/490-4761-1-ND/1641680, ComponentLink1URL=https://www.digikey.com/product-detail/en/murata-electronics-north-america/GCM155R71H102KA37D/490-4761-1-ND/1641680, Packaging="Cut Tape (CT)", Part Status=Active, Pricing 1="1=0.1, 10=0.02, 100=0.0091, 500=0.0065, 1000=0.00511, 2500=0.00465, 5000=0.00428 (USD)", Stock 1=100000, Supplier 1=Digi-Key
C86 C87 C92 C95: library part CAP_4700PF_5%_50V_X7R_0402, Manufacturer="Murata Electronics", Manufacturer Part Number=GRM155R71H472KA01J, Operating Temperature="-55°C ~ 125°C", Ratings=-, Supplier Part Number 1=490-8259-1-ND, Temperature Coefficient=X7R, Tolerance=±10%, Voltage - Rated=50V, Category=Capacitors, ComponentLink1Description=https://www.digikey.com/en/products/detail/murata-electronics/GRM155R71H472KA01J/2610945, ComponentLink1URL=https://www.digikey.com/en/products/detail/murata-electronics/GRM155R71H472KA01J/2610945, Packaging="Cut Tape (CT)", Part Status=Active, Pricing 1="1=0.1, 10=0.011, 100=0.005, 500=0.00354, 1000=0.00278, 2500=0.00253, 5000=0.00233 (USD)", Stock 1=457897, Supplier 1=Digi-Key